# Altium PCB Main.PcbDoc (part 2 of 3) (continued)
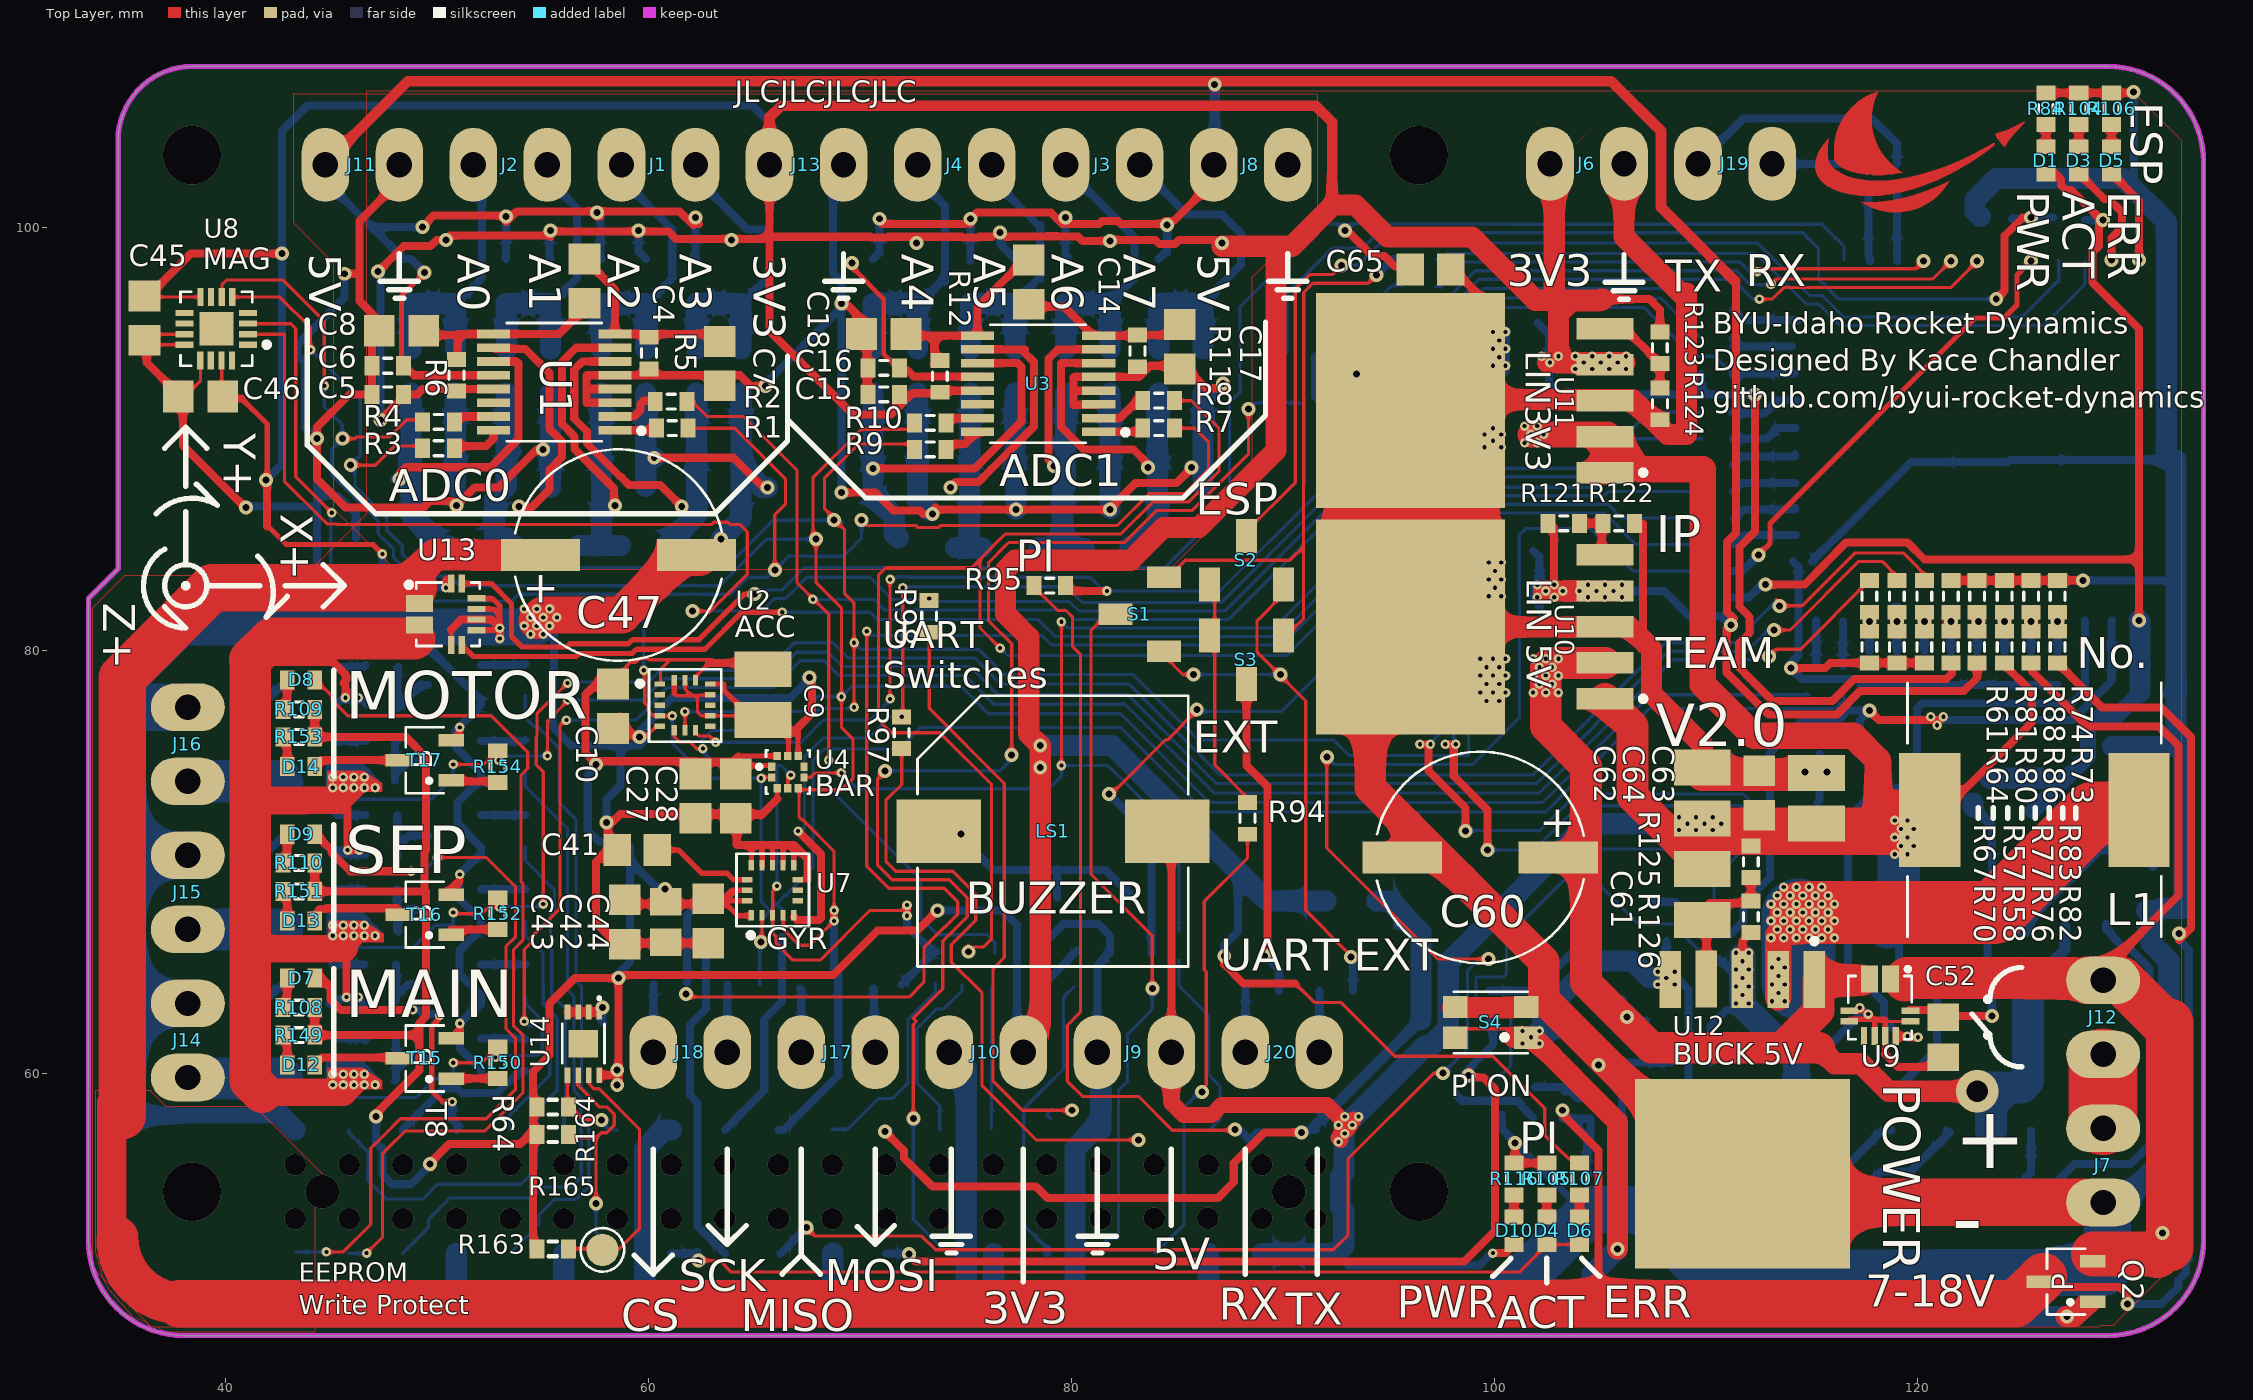
[diagram p0: Top Layer view]
## Nets (pads, with @x,y where several pads share a name; then routed paths per layer and width w, separated by ;. In a path a pad name is that pad's centre, name@x,y a point inside that pad or via, vN(x,y) a via of type N, cw(c..) or ccw(c..) an arc to the next point about the centre after c; other vN are vias at no path point) (continued)
  Bottom Layer w0.75: 35.1,58 42.591,58
  Bottom Layer w1: 42.591,58 J5.39@43.27,57.321 ; R21.2@50.85,87.75 C20.1@50.85,89.95 R22.2@50.85,92.15 ; 50.89,49.11 J5.34@50.89,51.479 ; R31.2@55.35,87.7 R31.2@55.35,87.75 C22.1@55.35,89.95 R32.2@55.35,92.15 C22.1@55.35,90 ; 55.97,49.11 J5.30@55.97,51.479 ; 59.85,49.15 59.8,49.2 59.8,56.4 60.721,57.321 J5.25@61.05,57.321 J5.25@61.07,57.321 ; R41.2@59.85,87.75 59.85,88.85 ; R42.2@59.85,92.15 C24.1@59.85,89.95 59.85,88.85 ; v2(60.25,89.1) 60.1,89.1 59.85,88.85 ; v2(63.4,85.25) 64.35,86.2 R51.2@64.35,87.75 R51.2@64.35,87.8 ; R52.2@64.35,92.15 C26.1@64.35,89.95 64.35,88.7 ; R51.2@64.4,87.75 R51.2@64.35,87.8 ; v2(65.6,87.7) 65.35,87.7 64.35,88.7 ; 68.691,49.131 J5.20@68.691,51.5 ; C19.1@72.7,89.85 72.7,87.15 v2@73.25,86.6 ; C19.1@72.7,89.95 R17.2@72.7,92.15 ; J10.2@74.2,60.462 J10.2@74.2,60.65 ; J10.2@74.2,61.05 75,60.25 75,49.15 ; 76.29,49.11 J5.14@76.29,51.479 ; R27.2@77.3,92.15 C21.1@77.3,89.95 77.3,89.55 R26.2@77.3,87.8 77.35,87.75 v2(77.35,86.65) ; 80.15,49.15 80.137,49.163 80.137,53.653 80.15,53.666 80.15,55.184 80.137,55.197 80.137,56.437 81.021,57.321 J5.9@81.37,57.321 J9.2@81.37,60.92 ; v2@81.8,86.7 C23.1@81.8,89.95 R37.2@81.8,92.15 ; R46.2@86.2,87.8 86.2,88.65 86.2,88.9 C25.1@86.2,89.95 R47.2@86.2,92.15 ; 86.45,49.11 J5.6@86.45,51.479 ; C54.1@100,82.5 v1(100,82.95) v1(100,83.75) C55.1@100,84.2 ; C57.1@100.2,93.3 v1(100.2,93.85) v1(100.2,94.65) C58.1@100.2,95 ; C29.1@122.95,100.5 122.7,100.75 122.7,101.3 123.7,102.3 129.7,102.3 131.74,100.26 131.756,98.4 131.75,98.395 131.75,89 ; U5.1@129.2,75.45 131.85,75.45 ; J7.2@129.8,54.1 131.856,56.156 131.856,65.321 130.997,66.181 130.997,67.297 C31.1@131.4,67.7 ; C31.1@130.8,67.7 C31.1@131.4,67.7 ; 131.74,89 131.74,89.95 ; 132.2,75.8 132.2,89 ; 132.55,75.775 132.55,67.803 131.503,67.803 C31.1@131.4,67.7 ; R51.2@64.35,87.8 64.35,88.7
  Bottom Layer w1.25: v1@111.7,65.5 v1(111.7,65.3) v1(111.7,64.5) v1(111.7,63.7) 111.7,63.4 111.7,63.2 112.5,62.4 114.25,60.65 114.25,58.3 114.247,58.3 112.7,58.2 112.7,55 112.7,50.55 114.25,50.55 114.2,50.5
  Bottom Layer w1.4: 34.6,52.15 34.6,57.621
  Bottom Layer w1.75: 37.5,81.1 44.3,81.1 48.6,81.1 ; 48.7,81.1 54.4,81.1 54.65,81.1 v1@54.975,81.425
  Bottom Layer w2: 34.871,52.222 ccw(c37.993,52.222) 37.993,49.1
  Bottom Layer w2.25: 35.1,58 35.1,63.3 ; 37.5,81.05 35.1,78.65 35.1,77.5 ; 37.793,49.1 37.993,49.1 50.9,49.1 59.8,49.1 62.3,49.1 72.65,49.1 80.2,49.1 97.2,49.1 100.1,49.1 104.55,53.55 106.6,53.55 106.95,53.55 109.9,50.6 112.7,50.55 128.815,50.6 128.9,50.685 128.9,51.65 ; J16.2@37.85,77.3 35.3,77.3 35.1,77.5 ; J14.2@37.9,63.3 35.1,63.3 ; J15.2@37.9,70.3 35.1,70.3 ; J7.2@128.45,53.85 128.95,53.35 128.95,51.65 ; 35.1,63.3 35.1,70.3 ; 35.1,70.3 35.1,77.5
  other v1: 117.65,62.8 117.25,63.1 111.4,63.3 112,63.3 111.4,64.1 112,64.1 111.4,64.9 112,64.9 111.4,65.7 112,65.7 99.6,77.6 100.2,77.6 99.3,78 99.9,78 100.5,78 99.6,78.4 100.2,78.4 99.3,78.8 99.9,78.8 100.5,78.8 99.6,79.2 100.2,79.2 99.3,79.6 99.9,79.6 100.5,79.6 54.4,80.75 55,80.75 54.1,81.15 54.7,81.15 55.3,81.15 54.4,81.55 55,81.55 55.65,81.55 54.1,81.95 54.7,81.95 55.3,81.95 99.7,82.55 100.3,82.55 99.7,83.35 100.3,83.35 99.7,84.15 100.3,84.15 99.5,89.6 100.3,89.6 99.9,89.9 99.5,90.2 100.3,90.2 99.9,90.5 99.9,93.45 100.5,93.45 99.9,94.25 100.5,94.25 99.9,95.05 100.5,95.05
  other v2: 104.9,60.4 115.7,74.25 67.6,78.7
MISO: J5.21 R4.1 R10.1 R62.1 R156.1 U2.7 U4.5 U7.4 U8.6 | length 150.9
  Top Layer w0.152: U8.6@39.81,96.704 39.81,97.282 40.034,97.506 40.04,97.5 42.7,97.5 44.65,95.55 v1(44.65,92.5) ; v2(45.5,90) 46.1,90 46.184,90.084 47.732,90.084 48.548,90.9 R4.1@49.35,90.9 ; U2.7@61.7,76.174 v1(61.7,77.1) ; U7.4@66.35,67.45 66.35,66.8 67.1,66.05 67.6,66.05 v1(68.75,67.2) ; v1@68.75,67.6 v1@68.75,67.8 ; v1@68.8,67.8 v1@68.75,67.8 ; R10.1@72.8,90.9 72.65,90.9 72.2,90.45 70.05,90.45 67.75,88.15 67.75,85.35 67.9,85.2 67.9,83.2 69.1,82 v1(69.1,77.8) 69.1,76.35 69.65,75.8 69.65,73.95 69.1,73.4 67.1,73.4 67.1,72.1 67.222,71.978 67.269,71.978 68.75,70.497 v1(68.75,67.7) v1@68.75,67.8
  Top Layer w0.381: v1(68.75,67.2) v1@68.75,67.6
  Bottom Layer w0.152: v1(44.65,92.5) 44.65,91.5 45.475,90.675 45.5,90.7 v2(45.5,90) 45,89.5 45,88.298 47.203,86.095 47.203,85.497 47.619,85.081 47.619,85.078 47.928,84.769 47.928,84.372 48.806,83.494 50.603,83.494 51.047,83.05 61.544,83.05 61.55,83.056 62.55,83.056 62.556,83.05 63.35,83.05 65.55,85.25 v2(67.9,85.25) ; v1(61.7,77.1) 67.25,77.1 67.95,77.8 v1(69.1,77.8) 69.6,78.3 74.75,78.3 75.45,77.6 ; 75.3,77.75 76.05,77 81.9,77 82.3,77 86.5,72.8 102.25,72.8 107.35,77.9 R62.1@114.85,77.9
  Bottom Layer w0.381: J5.21@66.13,57.321 66.371,57.321 68.95,59.9 68.95,64.7 68.75,64.9 v1(68.75,67.2) v1(68.75,67.7)
MOSI: R3.1 R9.1 R63.1 R101.2 R155.1 U2.6 U4.4 U7.3 U8.5 | length 151.1
  Top Layer w0.152: U8.5@40.31,96.704 40.316,96.698 42.552,96.698 44.002,95.248 44.002,94.202 v1(44,94.2) ; v2(45.9,88.75) 47.05,88.75 47.95,89.65 R3.1@49.3,89.65 ; U2.6@61.2,76.3 61.2,75.906 61.449,75.657 61.943,75.657 62.3,75.3 62.35,75.35 v1(62.55,75.35) ; v1(66.05,68.85) 66.05,68.8 65.85,68.6 65.85,66.612 66.01,66.453 66.01,66.14 66.8,65.35 68.1,65.35 70.45,67.7 71.95,67.7 v1(72.2,67.95) ; U4.4@66.565,73.475 66.565,73.965 v1(66.7,74.1) ; v2@68.8,86.15 69.25,85.7 69.25,82.676 69.7,82.226 v1(69.7,80.35) v1(69.7,77.3) ; v2@68.825,86.175 68.297,86.703 68.297,88.127 69.92,89.75 70.55,89.75 ; 70.57,89.75 R9.1@72.65,89.75
  Top Layer w0.381: v1(72.2,67.45) v1(72.2,67.95)
  Bottom Layer w0.152: v1(44,94.2) 46.35,91.85 46.35,89.2 v2(45.9,88.75) v2@46.186,88.75 ; v2@45.9,88.7 46.1,88.5 46.1,87.768 47.606,86.262 47.606,85.664 48.331,84.939 48.331,84.539 48.973,83.897 50.776,83.897 50.779,83.9 51.121,83.9 51.124,83.897 52.876,83.897 52.879,83.9 53.521,83.9 53.524,83.897 55.276,83.897 55.279,83.9 55.621,83.9 55.624,83.897 57.376,83.897 57.379,83.9 58.021,83.9 58.024,83.897 59.776,83.897 59.779,83.9 60.121,83.9 60.124,83.897 63.627,83.897 65.88,86.15 v2(68.75,86.15) 69.05,86.15 69.15,86.05 ; 66,74.55 63.2,74.55 62.5,75.25 62.55,75.3 v1(62.55,75.35) 62.55,75.697 62.5,75.747 62.953,76.2 67.05,76.2 68.1,77.25 69.7,77.25 v1@69.725,77.275 ; v1(66.05,68.85) 66.05,70.084 ; 66.117,70.017 66.05,70.084 ; v1(66.7,74.1) 66.25,74.55 66.05,74.55 66.05,70.084 ; v1(69.7,80.35) 70,80.05 75.6,80.05 76.8,78.85 82.9,78.85 86,75.75 ; 86.003,75.753 92.383,75.753 93.114,75.022 98.728,75.022 98.723,75.027 98.75,75.053 98.75,85.71 99.534,86.494 105.156,86.494 106.65,85 109.264,85 R63.1@109.75,85
  Bottom Layer w0.381: R155.1@71.95,64.2 73.5,65.75 R101.2@73.6,65.75 ; v1(72.2,67.95) v1(72.2,67.45) 72.2,66.95 R101.2@73.35,65.8 ; R101.2@73.25,65.8 R101.2@73.35,65.8 ; R101.2@73.45,65.8 R101.2@73.35,65.8
NetC1_1: C1.1 C2.1 C24.2 R40.1 R41.1 U1.7 | length 20.4
  Top Layer w0.381: v2@58.35,86.85 58.35,87.65 56.478,89.522 56.478,90.112 55.884,90.706 55.884,93.634 56.55,94.3 U1.7@58.39,94.3
  Bottom Layer w0.381: R40.1@57.25,92.15 R40.1@57.75,92.15 ; C24.2@57.75,89.95 C24.2@57.9,89.8
  Bottom Layer w1: C2.1@56.702,84.953 57.753,84.953 ; R41.1@57.75,87.75 C24.2@57.75,89.95 R40.1@57.75,92.15 ; R41.1@57.753,87.748 57.753,84.953 ; C1.1@58.653,84.953 57.753,84.953
  other v2: 58.4,86.85
NetC1_2: C1.2 C26.2 R50.1 R51.1 U1.6 | length 19.8
  Top Layer w0.381: U1.6@58.39,93.65 56.85,93.65 56.468,93.268 56.468,90.948 57.062,90.354 57.062,89.788 58.669,88.181 58.692,88.181 59.058,87.816 60.534,87.816 v2(61.55,86.8)
  Bottom Layer w0.381: C26.2@62.25,89.45 C26.2@62.25,89.95
  Bottom Layer w1: C1.2@60.8,84.95 62.253,86.403 R51.1@62.253,87.748 ; R51.1@62.25,87.75 C26.2@62.25,89.95 R50.1@62.25,92.15
NetC2_2: C2.2 C3.2 C22.2 R30.1 R31.1 U1.10 | length 20.3
  Top Layer w0.381: U1.10@52.65,94.3 52.701,94.249 54.151,94.249 55.3,93.1 55.3,90.464 55.894,89.87 55.894,89.13 55.3,88.536 55.3,87.6 54.45,86.75 53.9,86.75 v2(53.85,86.8)
  Bottom Layer w0.381: C22.2@53.25,89.95 C22.2@53.8,89.4
  Bottom Layer w1: C3.2@52.602,84.953 52.7,84.953 52.7,87.195 R31.1@53.253,87.748 ; 53.25,85.3 53.25,84.953 ; R31.1@53.25,87.8 C22.2@53.25,90 ; C22.2@53.25,89.95 R30.1@53.25,92.15 ; 53.503,84.953 53.25,84.953 ; 53.65,84.95 53.25,84.951 53.25,84.953
NetC3_1: C3.1 C20.2 R20.1 R21.1 U1.11 | length 21.7
  Top Layer w0.381: v2(48.2,88.1) 48.2,88.35 48.5,88.65 52.5,88.65 53.829,89.979 53.829,93.571 53.75,93.65 U1.11@52.65,93.65
  Bottom Layer w0.381: v2@47.95,88.1 v2(48.2,88.1) 48.35,88.1 48.7,87.75 R21.1@48.75,87.75 48.75,86.4
  Bottom Layer w1: R21.1@48.7,87.75 C20.2@48.7,89.9 ; C20.2@48.75,89.95 R20.1@48.75,92.15 ; R21.1@48.753,87.698 48.75,86.4 50.2,84.95 C3.1@50.5,84.95
NetC4_1: C4.1 C7.2 R5.1 U1.8 | length 9.2
  Top Layer w0.381: C4.1@56.95,98.5 58.39,97.06 U1.8@58.39,94.95 62.95,94.95 C7.2@63.3,94.6
NetC4_2: C4.2 C8.2 R6.1 U1.9 | length 9.1
  Top Layer w0.381: C8.2@49.09,94.9 50.9,94.9 50.95,94.95 ; 50.95,94.1 50.95,94.95 ; C4.2@56.87,96.07 55.75,94.95 U1.9@52.65,94.95 50.95,94.95
NetC11_1: C11.1 C12.1 C23.2 R35.1 R36.1 U3.7 | length 18.2
  Top Layer w0.381: v2@79.1,88.7 79.15,88.75 78.9,89 78.9,93.8 79.325,94.225 U3.7@81.27,94.225
  Bottom Layer w0.381: v2(79.15,88.7) 79.15,88.95 79.1,89 79.15,89.05 ; C23.2@79.7,89.95 79.7,89.6 C23.2@79.75,89.55
  Bottom Layer w1: C12.1@78.45,84.85 78.5,84.8 79.55,84.8 ; C23.2@79.5,89.75 C23.2@79.7,89.95 ; R36.1@79.55,87.6 79.55,84.8 ; R36.1@79.7,87.75 R36.1@79.7,87.8 79.7,88.9 79.7,89.6 C23.2@79.7,89.95 ; R35.1@79.7,92.15 C23.2@79.7,89.95 ; C11.1@80.6,84.8 79.55,84.8
NetC11_2: C11.2 C25.2 R45.1 R46.1 U3.6 | length 18.6
  Top Layer w0.381: U3.6@81.27,93.575 79.501,93.575 79.484,93.558 79.484,90.564 80.548,89.5 82.9,89.5 83.6,88.8 v2(83.6,88.65) v2@83.6,88.6
  Bottom Layer w0.381: C25.2@83.694,89.47 83.657,89.507 84.05,89.9 C25.2@84.1,89.95 C25.2@84.05,90
  Bottom Layer w1: C11.2@82.75,84.9 83.05,84.9 84.05,85.9 84.05,89.9 84.05,90 84.05,92.1 R45.1@84.1,92.15
NetC12_2: C12.2 C13.2 C21.2 R25.1 R26.1 U3.10 | length 19.9
  Top Layer w0.381: v2(74.25,87.7) 74.5,87.95 75.576,87.95 76.184,88.558 78.2,90.574 78.2,93.626 77.688,94.138 77.775,94.225 U3.10@75.53,94.225
  Bottom Layer w1: C13.2@74.5,84.85 C12.2@75.75,84.85 ; 75.15,84.85 75.2,84.9 75.15,84.95 75.15,85 75.15,87.8 75.175,89.95 R25.1@75.2,92.15
NetC13_1: C13.1 C19.2 R15.1 R16.1 U3.11 | length 20.1
  Top Layer w0.381: v2@70.55,88.65 v2(70.6,88.6) 75.4,88.6 77.616,90.816 77.616,93.384 77.425,93.575 U3.11@75.53,93.575
  Bottom Layer w1: R15.1@70.6,92.15 R16.1@70.6,87.7 70.6,87.302 71.6,86.302 71.6,85.5 C13.1@71.8,85.3
NetC14_1: C14.1 C17.2 R11.1 U3.8 | length 8.1
  Top Layer w0.381: C14.1@77.9,96.25 79.63,96.25 81.005,94.875 U3.8@81.27,94.875 83.625,94.875 83.65,94.9 C17.2@85.4,94.9
NetC14_2: C14.2 C18.2 R12.1 U3.9 | length 9.3
  Top Layer w0.381: C18.2@71.89,95.16 72.175,94.875 73.5,94.875 ; R12.1@73.45,93.55 73.5,93.6 73.5,93.7 73.5,94.875 ; C14.2@77.55,98.25 75.53,96.23 U3.9@75.53,94.875 73.5,94.875
NetC29_2: C29.2 R55.2 T3.3 U6.25 | length 46.4
  Top Layer w0.381: v2(123.7,96.6) 124.1,97 124.1,99.6 124.95,100.45 v2(125.35,100.45)
  Bottom Layer w0.152: T3.3@90.15,94.05 90.15,96.85 92.303,99.003 93.747,99.003 94.479,99.735 114.55,99.735 115.3,98.985 115.3,97.55 116.25,96.6 v2(123.7,96.6)
  Bottom Layer w0.381: C29.2@124.45,100.4 125.25,100.4 v2@125.35,100.5 ; v2(125.35,100.45) R55.2@126.4,100.45
NetC30_2: C30.2 R57.1 R58.2 U6.10 | length 2.5
  Top Layer w0.381: R57.1@120.3,81.8 R58.2@120.3,80.9 120.3,80.85 R58.2@120.4,80.75
  Bottom Layer w0.381: U6.10@120.25,81.3 120.3,81.25 C30.2@120.3,79.94
  other v2: 120.3,81.35
NetC31_2: C31.2 D2.2 Q1.3 U5.3 | length 8.9
  Bottom Layer w0.381: U5.3@129.65,70.85 130,70.85 C31.2@131.1,69.75
  Bottom Layer w1: D2.2@124.9,66.85 124.9,67.3 128.45,70.85 U5.3@129.65,70.85 ; U5.3@130,70.85 U5.3@130.3,70.85
NetC33_2: C33.2 R61.1 R64.2 U6.11 | length 3.3
  Top Layer w0.381: R61.1@119,81.8 R64.2@119,80.9 R64.2@119.15,80.75
  Bottom Layer w0.381: U6.11@118.85,82.05 119.05,82.05 119.05,81.51 U6.11@118.99,81.45 ; U6.11@118.95,81.3 119,81.25 C33.2@119,79.95
  other v2: 119,81.35
NetC34_2: C34.2 R67.1 R70.2 U6.12 | length 1.6
  Bottom Layer w0.381: C34.2@117.7,79.94 U6.12@117.7,81.35 ; U6.12@117.75,81.4 U6.12@117.7,81.35 ; U6.12@117.8,81.25 U6.12@117.7,81.35
  other v2: 117.7,81.35
NetC35_2: C35.2 R68.2 T4.3 U6.3 | length 37.6
  Top Layer w0.381: v2(117.7,77.15) 118.15,76.7 121.05,76.7 v1(121.2,76.85)
  Bottom Layer w0.381: T4.3@107.36,68.1 108.55,68.1 109.356,67.294 109.356,66.792 109.587,66.561 111.123,66.561 111.75,67.188 111.75,68 112.994,69.244 112.994,75.144 114.603,76.753 116.296,76.753 116.337,76.794 116.342,76.794 116.698,77.15 v2(117.7,77.15) 117.25,76.7 C35.2@117.25,75.3 ; v1(120.6,76.85) 120.75,76.7 127.313,76.7 129.15,78.537 129.15,81.39 U6.3@129.16,81.4
  other v1: 120.9,76.45
NetC36_2: C36.2 R73.1 R74.2 U6.5 | length 1.4
  Bottom Layer w0.381: C36.2@126.6,79.93 v2(126.6,81.35)
NetC37_2: C37.2 R76.1 R77.2 U6.8 | length 2.4
  Top Layer w0.381: R77.2@122.8,81.95 122.8,80.95 R76.1@122.85,80.9
  Bottom Layer w0.381: C37.2@122.8,79.94 U6.8@122.8,81.3
  other v2: 122.85,81.35
NetC38_2: C38.2 R80.1 R81.2 U6.9 | length 2.6
  Top Layer w0.381: R81.2@121.4,81.95 121.4,81.1 R80.1@121.6,80.9
  Bottom Layer w0.381: U6.9@121.5,81.35 121.55,81.3 C38.2@121.55,79.94
  other v2: 121.55,81.35
NetC39_2: C39.2 R82.1 R83.2 U6.6 | length 2.4
  Top Layer w0.381: R82.1@125.4,80.75 R83.2@125.4,81.8
  Bottom Layer w0.381: U6.6@125.3,81.25 125.35,81.2 C39.2@125.35,79.94
  other v2: 125.35,81.35
NetC40_2: C40.2 R86.1 R88.2 U6.7 | length 2.5
  Top Layer w0.381: R86.1@124.1,80.9 R88.2@124.1,81.8 R88.2@124.1,81.95
  Bottom Layer w0.381: C40.2@124.1,79.94 v2(124.1,81.35) U6.7@124.1,81.4
NetC41_1: C41.1 U7.14 | length 4.5
  Top Layer w0.25: C41.1@60.7,70.55 61.4,70.55 62.5,69.45 63.7,69.45 64,69.15 U7.14@64.65,69.15
NetC48_1: C48.1 C50.2 Q3.3 R114.1 R115.1 S4.1 S4.3 T7.3 U12.5 | length 43.4
  Top Layer w0.152: S4.3@98.275,62.1 S4.1@101.05,62.1
  Top Layer w0.381: S4.1@101.3,61.7 101.475,61.7 v1(101.7,61.7) S4.1@101.767,61.7 ; v1(108.1,64.5) U12.5@108.6,64.5
  Top Layer w1: S4.1@100.9,61.7 100.95,61.7 S4.1@101.3,61.7 ; S4.1@101.254,61.738 101.356,61.721 S4.1@101.475,61.7 ; v2(105.8,51.7) 105.8,57.7 S4.1@101.8,61.7 ; S4.1@101.3,61.7 S4.1@101.475,61.7 ; S4.1@101.3,61.7 S4.1@101.475,61.7 ; S4.1@101.475,61.7 S4.1@101.8,61.7 ; S4.1@101.475,61.7 S4.1@101.594,61.7 ; S4.1@101.5,61.7 S4.1@101.594,61.7 ; S4.1@101.5,61.7 S4.1@101.694,61.7 ; S4.1@101.5,61.7 v1(101.7,61.7) ; S4.1@101.594,61.7 S4.1@101.62,61.7 ; S4.1@101.62,61.7 v1(101.7,61.7) ; S4.1@101.62,61.7 S4.1@101.694,61.7 ; S4.1@101.694,61.7 S4.1@101.8,61.7 ; v1(101.7,61.7) S4.1@101.8,61.7
  Bottom Layer w0.381: v1@101.5,62 v1(102.1,62) 102.1,61.7 ; v1@102.15,61.9 102.2,61.9 102.2,62.75 ; 102.45,61.9 C48.1@104.46,61.9 ; v1(108.1,64.5) T7.3@108.1,66.25 ; 108.5,64.5 v1(108.5,64.8) ; 108.6,64.5 109.15,63.95 109.15,58.25 109.15,55.95 C50.2@108.7,55.5
  Bottom Layer w1: v1(101.7,61.7) v1@101.8,61.7 ; v1(102.1,62) 102.2,61.9 102.3,61.8 102.35,61.8 102.45,61.9 ; 102.2,62.75 104.75,65.3 106.5,65.3 107.3,64.5 ; 104.6,49.6 104.6,50.5 v2(105.8,51.7) ; 107.5,64.5 v1(108.1,64.5) v1@108.3,64.5
  other v1: 101.3,61.4 102.1,61.4 101.3,62 107.7,64.2 108.5,64.2 107.7,64.8
NetC49_1: C49.1 C51.2 Q3.1 R118.2 | length 4.8
  Bottom Layer w0.381: C51.2@106,60.3 106,58 106.1,57.9 ; C51.2@106.09,60.4 106.09,60.44 106.15,60.5 Q3.1@108.35,60.5
NetC53_2: C53.2 U6.4 U9.10 | length 33.5
  Top Layer w0.381: U9.10@119,61.75 v1(119.5,61.75) 119.55,61.75 119.6,61.7 v1(120,61.7)
  Bottom Layer w0.254: 120.181,77.481 120.181,77.55
  Bottom Layer w0.381: v1(120,61.7) 119.6,61.7 119.55,61.75 v1(119.5,61.75) 119.2,61.75 118.4,62.55 118.4,63.35 116.7,65.05 116.7,72.1 118.05,73.45 119,73.45 ; U6.4@127.89,81.4 127.89,78.103 127.273,77.486 125.927,77.486 125.917,77.496 120.181,77.481 119.944,77.244 119.944,73.5 ; 119,73.45 119.901,73.45 119.944,73.492 ; 119,73.45 119.05,73.5 119.944,73.5 ; 119.944,73.492 119.944,73.5 ; 119.944,73.492 119.951,73.5 119.944,73.5
NetC61_1: C61.1 R125.2 R126.1 U12.4 | length 6.6
  Top Layer w0.381: C61.1@109.85,67.75 110.15,68.05 112.1,68.05 R126.1@112.1,68.15 R125.2@112.1,69.15 ; U12.4@110,64.45 C61.1@110,67.6
NetC65_2: C65.2 U6.26 U13.11 | length 85.9
  Top Layer w0.25: U13.11@51.2,83.15 52.55,83.15 53.503,82.197 53.503,80.821 53.5,80.818 53.5,80.782 53.503,80.779 53.503,80.647 53.997,80.153 56.103,80.153 56.253,80.303 59.01,80.303 59.166,80.459 59.216,80.459 59.257,80.5 62.359,80.5 62.594,80.735 64.509,82.65 v2(65,82.65)
  Top Layer w0.381: v2(92.9,99.85) v2@92.964,99.85 ; v2(92.9,99.85) 93,99.85 94.206,98.644 94.77,98.644 95.264,98.15 C65.2@96,98.15
  Bottom Layer w0.152: v2@64.95,82.85 66.3,82.85 67.35,83.9 84.394,83.9 87.45,86.956 87.45,91.722 87.953,92.225 87.953,92.933 87.95,92.936 87.95,96.25 91.85,100.15 100.7,100.15 100.712,100.138 115.452,100.138 116.5,99.09 U6.26@116.5,98.45
  Bottom Layer w0.381: v2(65,82.65) v2@65.094,82.744
NetD1_2: D1.2 R84.2 | length 0.9
  Top Layer w0.381: R84.2@126.05,104.85 126.05,104 D1.2@126.1,103.95
NetD3_1: D3.1 U6.36 | length 5.3
  Top Layer w0.381: D3.1@127.6,102.55 128.806,101.344 129.02,101.344 129.644,100.72 129.644,99.98 129.15,99.486 v2(129.15,98.45)
NetD3_2: D3.2 R104.2 | length 1
  Top Layer w0.381: D3.2@127.5,103.85 127.6,103.95 R104.2@127.6,104.85
NetD4_1: D4.1 D6.2 J5.26 | length 43.7
  Top Layer w0.152: v2(62.35,51.15) 63.35,51.15 63.9,50.6 101.15,50.6 D4.1@102.45,51.9 D6.2@104,51.9
  Bottom Layer w0.381: J5.26@61.05,51.479 62.237,51.479 62.3,51.542
NetD4_2: D4.2 R105.2 | length 1
  Top Layer w0.381: D4.2@102.45,53.25 R105.2@102.45,54.25
NetD5_1: D5.1 U6.37 | length 4.6
  Top Layer w0.381: D5.1@129.15,102.55 130.45,101.25 v2(130.45,98.45)
NetD5_2: D5.2 R106.2 | length 0.8
  Top Layer w0.381: D5.2@129.15,104 R106.2@129.15,104.85
NetD6_1: D6.1 R107.1 | length 1.2
  Top Layer w0.381: R107.1@104,54.25 D6.1@104,53.2 104,53.15 D6.1@104.1,53.05
NetD7_1: D7.1 R108.1 | length 1.5
  Top Layer w0.381: R108.1@42.7,63.1 42.9,63.3 D7.1@42.9,64.5
NetD7_2: D7.2 J5.33 | length 13.6
  Top Layer w0.25: v1@50.15,62.75 50.15,62.641 49.727,62.218 49.727,59.173 50.25,58.65 v1(50.7,58.65)
  Top Layer w0.381: D7.2@44.15,64.5 D7.2@44.2,64.5 44.5,64.5 44.95,64.05 44.95,63.475 45.444,62.981 48.813,62.981 v1(48.831,63)
  Bottom Layer w0.381: v1(48.831,63) 49.1,63 49.3,62.8 50.113,62.8 50.1,62.787 v1(50.1,62.75) ; v1(50.7,58.65) 50.7,57.95 50.641,57.891 51.05,57.481 50.9,57.331 J5.33@50.89,57.321
NetD8_1: D8.1 R109.1 | length 1.5
  Top Layer w0.381: R109.1@42.7,77.15 42.9,77.35 D8.1@42.9,78.55
NetD8_2: D8.2 J5.38 | length 42
  Top Layer w0.152: D8.2@44.15,78.6 D8.2@44.2,78.6 44.25,78.6 45.022,77.828 45.022,77.631 45.753,76.9 52.55,76.9 54.268,75.182 54.268,74.411 53.95,74.093 53.95,69.053 54.05,68.953 54.05,66.302 53.596,65.848 53.596,62.241 54.049,61.787 54.049,59.09 52.225,57.266 48.466,57.266 47.65,56.45 47.4,56.2 47.4,52.25 v1(46.65,51.5)
  Bottom Layer w0.152: J5.38@45.81,51.479 v1@46.629,51.479
  Bottom Layer w0.381: v1@46.629,51.479 v1(46.65,51.5)
NetD9_1: D9.1 R110.1 | length 1.5
  Top Layer w0.381: R110.1@42.7,69.9 42.9,70.1 D9.1@42.9,71.3
NetD9_2: D9.2 J5.40 | length 36.7
  Top Layer w0.152: v1@44.8,51.55 45.55,51.55 46.85,52.85 46.85,56.45 47.456,57.056 48.25,57.85 52.307,57.85 53.694,59.237 53.694,61.64 53.24,62.094 53.24,65.995 53.694,66.449 53.694,66.699 53.694,68.806 52.3,70.2 v1(50,70.2)
  Top Layer w0.381: D9.2@44.2,71.35 44.981,70.569 44.981,70.444 45.875,69.55 v1(48.75,69.55)
  Bottom Layer w0.152: J5.40@43.3,51.55 v1(44.75,51.55) ; v1(48.75,69.55) 49.35,69.55 v1(50,70.2)
NetD10_2: D10.2 R116.2 | length 1.2
  Top Layer w0.381: D10.2@100.85,53.05 100.9,53.1 R116.2@100.9,54.2
NetD11_2: D11.2 L1.1 U12.2 | length 25.1
  Top Layer w1.25: U12.2@113.4,63.6 v1(113.4,63.8) 113.4,64.2 v1(113.4,64.6) v1(113.4,65.4) 113.4,66.4 113.4,66.5 v1@114.5,67.6
  Top Layer w3: v1@114.5,67.6 123.6,67.6 128.3,72.3 129.608,72.3 L1.1@129.9,72.592
  Bottom Layer w3.5: D11.2@114.35,64.3 114.35,65.8 114.35,67.2 114.35,67.45
  other v1: 113.1,63.4 113.7,63.4 113.1,64.2 113.7,64.2 113.1,65 113.7,65 113.05,66.4 113.65,66.4 114.25,66.4 114.85,66.4 115.45,66.4 116.05,66.4 113.35,66.8 113.95,66.8 114.55,66.8 115.15,66.8 115.75,66.8 113.05,67.2 113.65,67.2 114.25,67.2 114.85,67.2 115.45,67.2 116.05,67.2 113.35,67.6 113.95,67.6 114.55,67.6 115.15,67.6 115.75,67.6 113.05,68 113.65,68 114.25,68 114.85,68 115.45,68 116.05,68 113.35,68.4 113.95,68.4 114.55,68.4 115.15,68.4 115.75,68.4 113.65,68.8 114.25,68.8 114.85,68.8 115.45,68.8
NetD12_1: D12.1 R149.1 | length 1.5
  Top Layer w0.381: R149.1@42.7,61.8 42.9,61.6 D12.1@42.9,60.4
NetD12_2: D12.2 T15.3 | length 4.1
  Top Layer w0.381: D12.2@44.2,60.4 44.55,60.75 48.1,60.75 T15.3@48.15,60.7
NetD13_1: D13.1 R151.1 | length 1.5
  Top Layer w0.381: R151.1@42.7,68.6 42.9,68.4 D13.1@42.9,67.2
NetD13_2: D13.2 T16.3 | length 4.4
  Top Layer w0.381: D13.2@44.2,67.2 44.2,67.5 44.456,67.756 44.713,67.756 44.757,67.8 48.09,67.8 T16.3@48.14,67.75
NetD14_1: D14.1 R153.1 | length 1.5
  Top Layer w0.381: R153.1@42.7,75.9 42.9,75.7 D14.1@42.9,74.5
NetD14_2: D14.2 T17.3 | length 4.1
  Top Layer w0.381: D14.2@44.2,74.5 44.5,74.8 48.107,74.8 T17.3@48.157,74.75
NetJ1_1: J1.1 R38.2 R39.2 R40.2 R42.1 | length 13.8
  Bottom Layer w0.381: J1.1@58.7,102.3 61.1,99.9 61.1,97.59 R39.2@59.91,96.4
  Bottom Layer w1: R40.2@57.75,94.25 R38.2@57.75,96.4 R39.2@59.85,96.4 R42.1@59.85,94.25
NetJ1_2: J1.2 R48.2 R49.2 R50.2 R52.1 | length 14.9
  Bottom Layer w0.381: J1.2@62.2,102.3 62.264,102.3 64.664,99.9 65.7,99.9 65.7,97.69 R49.2@64.41,96.4
  Bottom Layer w1: R50.2@62.25,94.25 R48.2@62.25,96.4 R49.2@64.35,96.4 R52.1@64.35,94.25
NetJ2_1: J2.1 R18.2 R19.2 R20.2 R22.1 | length 13
  Bottom Layer w0.381: R19.2@50.91,96.4 52.1,97.59 52.1,101.9 J2.1@51.7,102.3
  Bottom Layer w1: R20.2@48.75,94.25 R18.2@48.75,96.4 48.753,96.397 50.847,96.397 R19.2@50.85,96.4 R22.1@50.85,94.25
NetJ2_2: J2.2 R28.2 R29.2 R30.2 R32.1 | length 13.4
  Bottom Layer w0.381: J2.2@55.2,102.3 56.6,100.9 56.6,97.59 R29.2@55.41,96.4
  Bottom Layer w1: R30.2@53.25,94.25 R28.2@53.25,96.4 R29.2@55.35,96.4 R32.1@55.35,94.25
NetJ3_1: J3.1 R33.2 R34.2 R35.2 R37.1 | length 14.3
  Bottom Layer w0.381: J3.1@79.7,102.3 80.164,102.3 82.956,99.508 82.956,97.656 82.944,97.644 82.944,97.587 82.713,97.356 ; R34.2@81.8,96.45 82.656,97.306
  Bottom Layer w1: R35.2@79.7,94.25 R33.2@79.7,96.4 R34.2@81.8,96.4 ; R37.1@81.8,94.25 R34.2@81.8,96.4 ; R34.2@81.8,96.45 R34.2@81.8,96.4
NetJ3_2: J3.2 R43.2 R44.2 R45.2 R47.1 | length 16.3
  Bottom Layer w0.381: J3.2@83.2,102.3 83.6,101.9 84.15,101.9 85.394,100.656 85.45,100.6 87.1,100.6 87.994,99.706 87.994,98.244 87.7,97.95 R44.2@86.2,96.4
  Bottom Layer w1: R45.2@84.1,94.25 R43.2@84.1,96.4 R44.2@86.2,96.4 R47.1@86.2,94.25
NetJ4_1: J4.1 R13.2 R14.2 R15.2 R17.1 | length 13.6
  Bottom Layer w0.381: J4.1@72.7,102.3 74,101 74,97.4 ; R14.2@72.9,96.5 74,97.6
  Bottom Layer w1: R15.2@70.6,94.25 R13.2@70.6,96.4 R14.2@72.7,96.4 ; R17.1@72.7,94.25 R14.2@72.7,96.4 ; R14.2@72.9,96.4 R14.2@72.7,96.4
NetJ4_2: J4.2 R23.2 R24.2 R25.2 R27.1 | length 13.9
  Bottom Layer w0.381: J4.2@76.2,102.3 78.5,100 ; R24.2@77.1,96.4 77.257,96.4 78.5,97.643 ; 78.5,97.543 78.5,100.1
  Bottom Layer w1: R25.2@75.2,94.25 R23.2@75.2,96.4 R24.2@77.1,96.4 ; R27.1@77.3,94.25 R24.2@77.3,96.4
NetJ5_3: J5.3 R95.1 | length 35.3
  Top Layer w0.152: R95.1@78.2,83 79.322,81.878 79.719,81.878 80.028,81.569 80.028,80.172 80.4,79.8 80.4,62.885 79.772,62.257 79.772,59.628 80.5,58.9 83.15,58.9 84.75,57.3 87.65,57.3 v2(87.7,57.35) v2@87.7,57.4
  Bottom Layer w0.381: v2(87.7,57.35) 87.896,57.35 88.396,56.85 88.746,57.2 J5.3@88.95,57.2